# Altium PCB 1.PcbDoc
Units mil, origin at the board's own origin, x right, y up, seen from the top; angles counter-clockwise.
Board outline 3900 x 3930 mil, 2 copper layers (Top Layer, Bottom Layer); 92 components, 114 nets, 397 pads, 38 vias.
Unrouted connection lines stored in the file: 5.
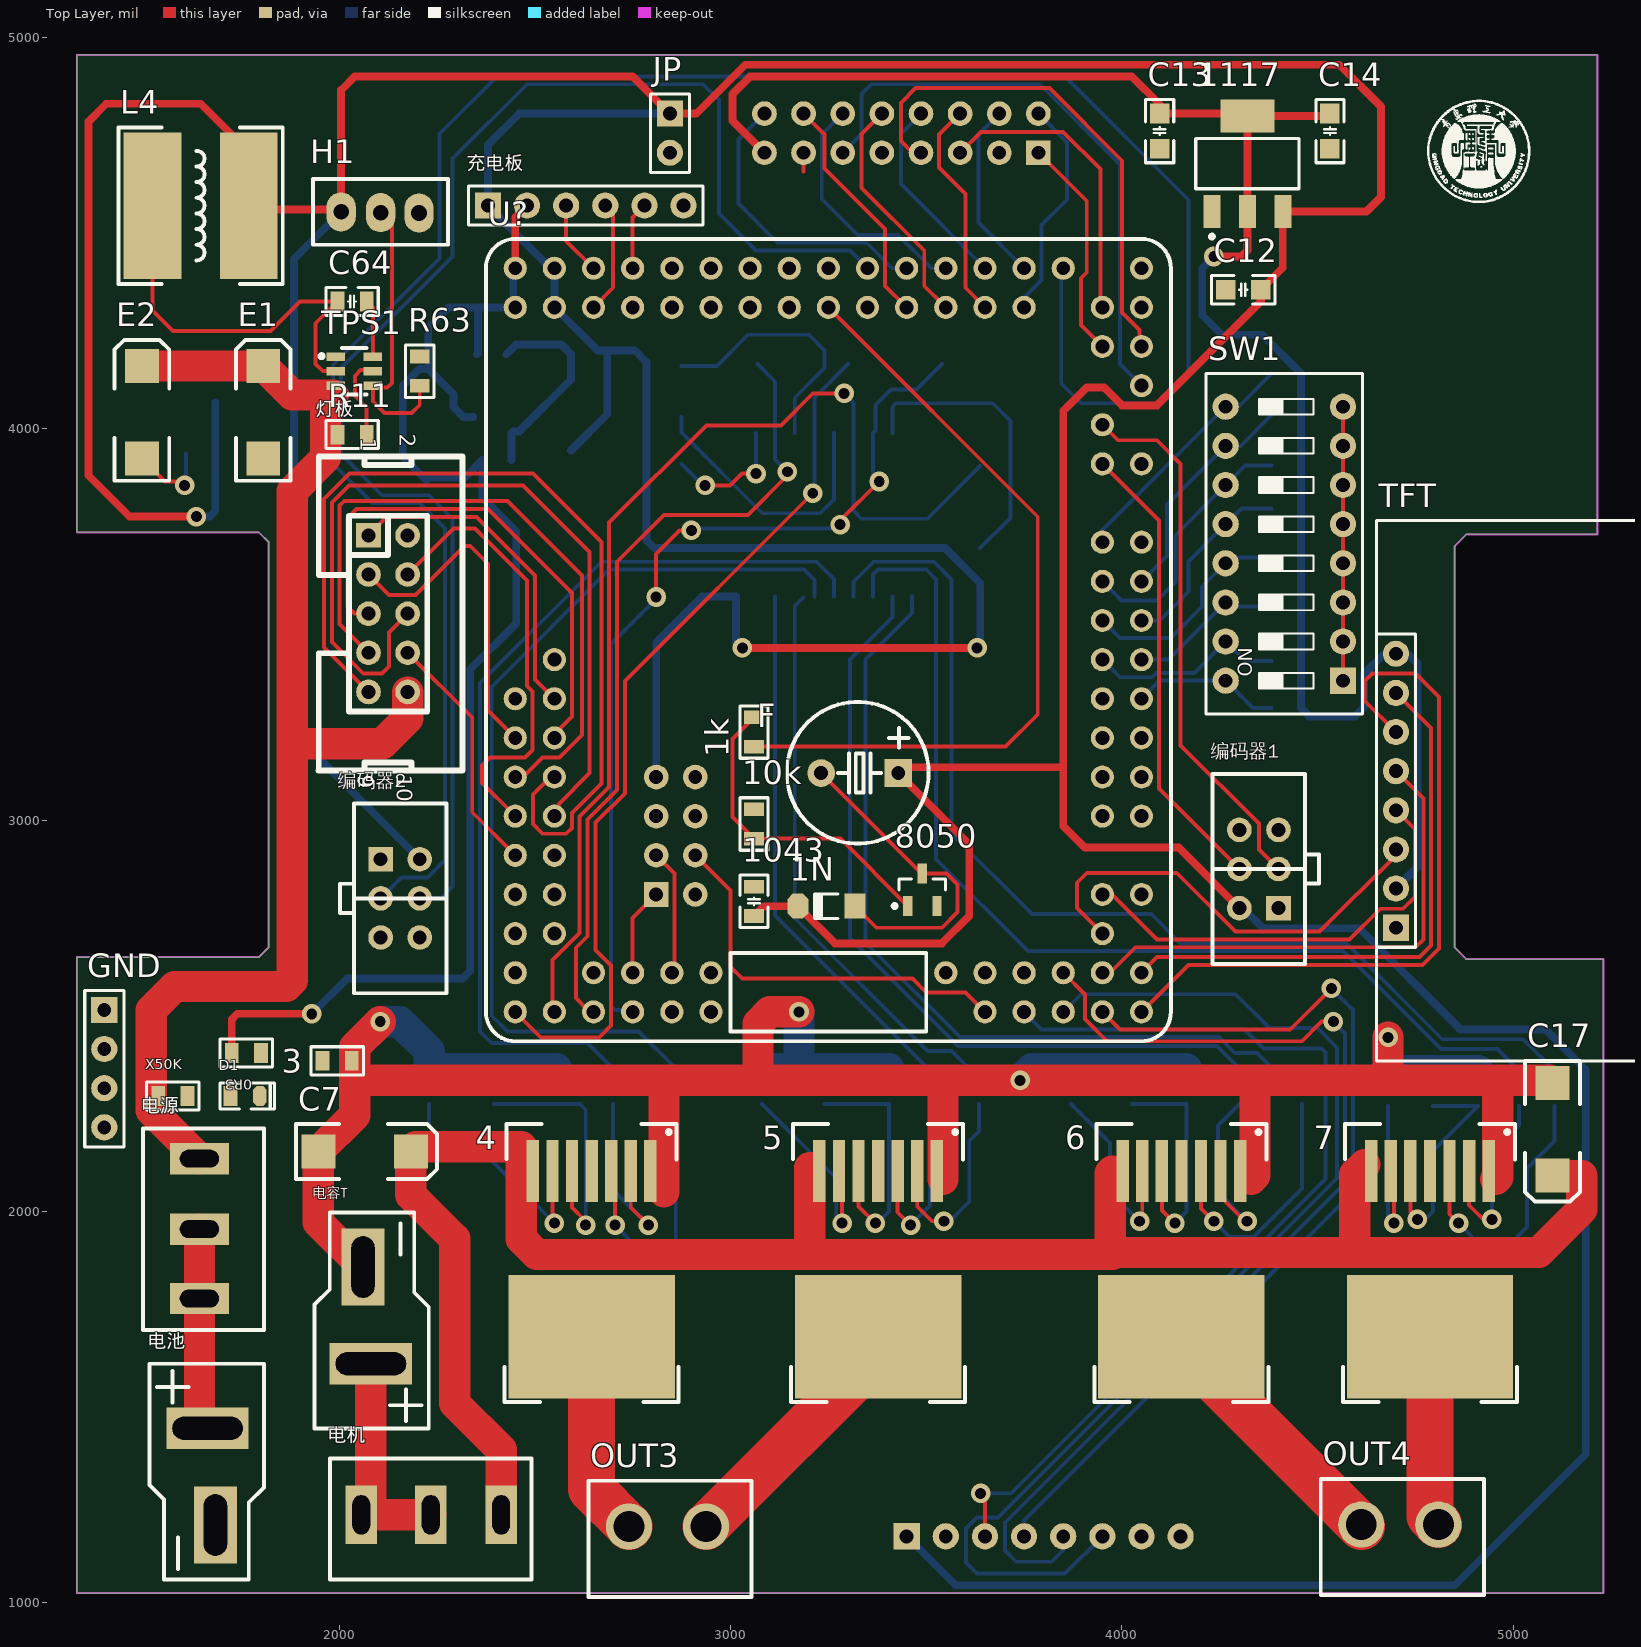
[diagram p0: Top Layer view]
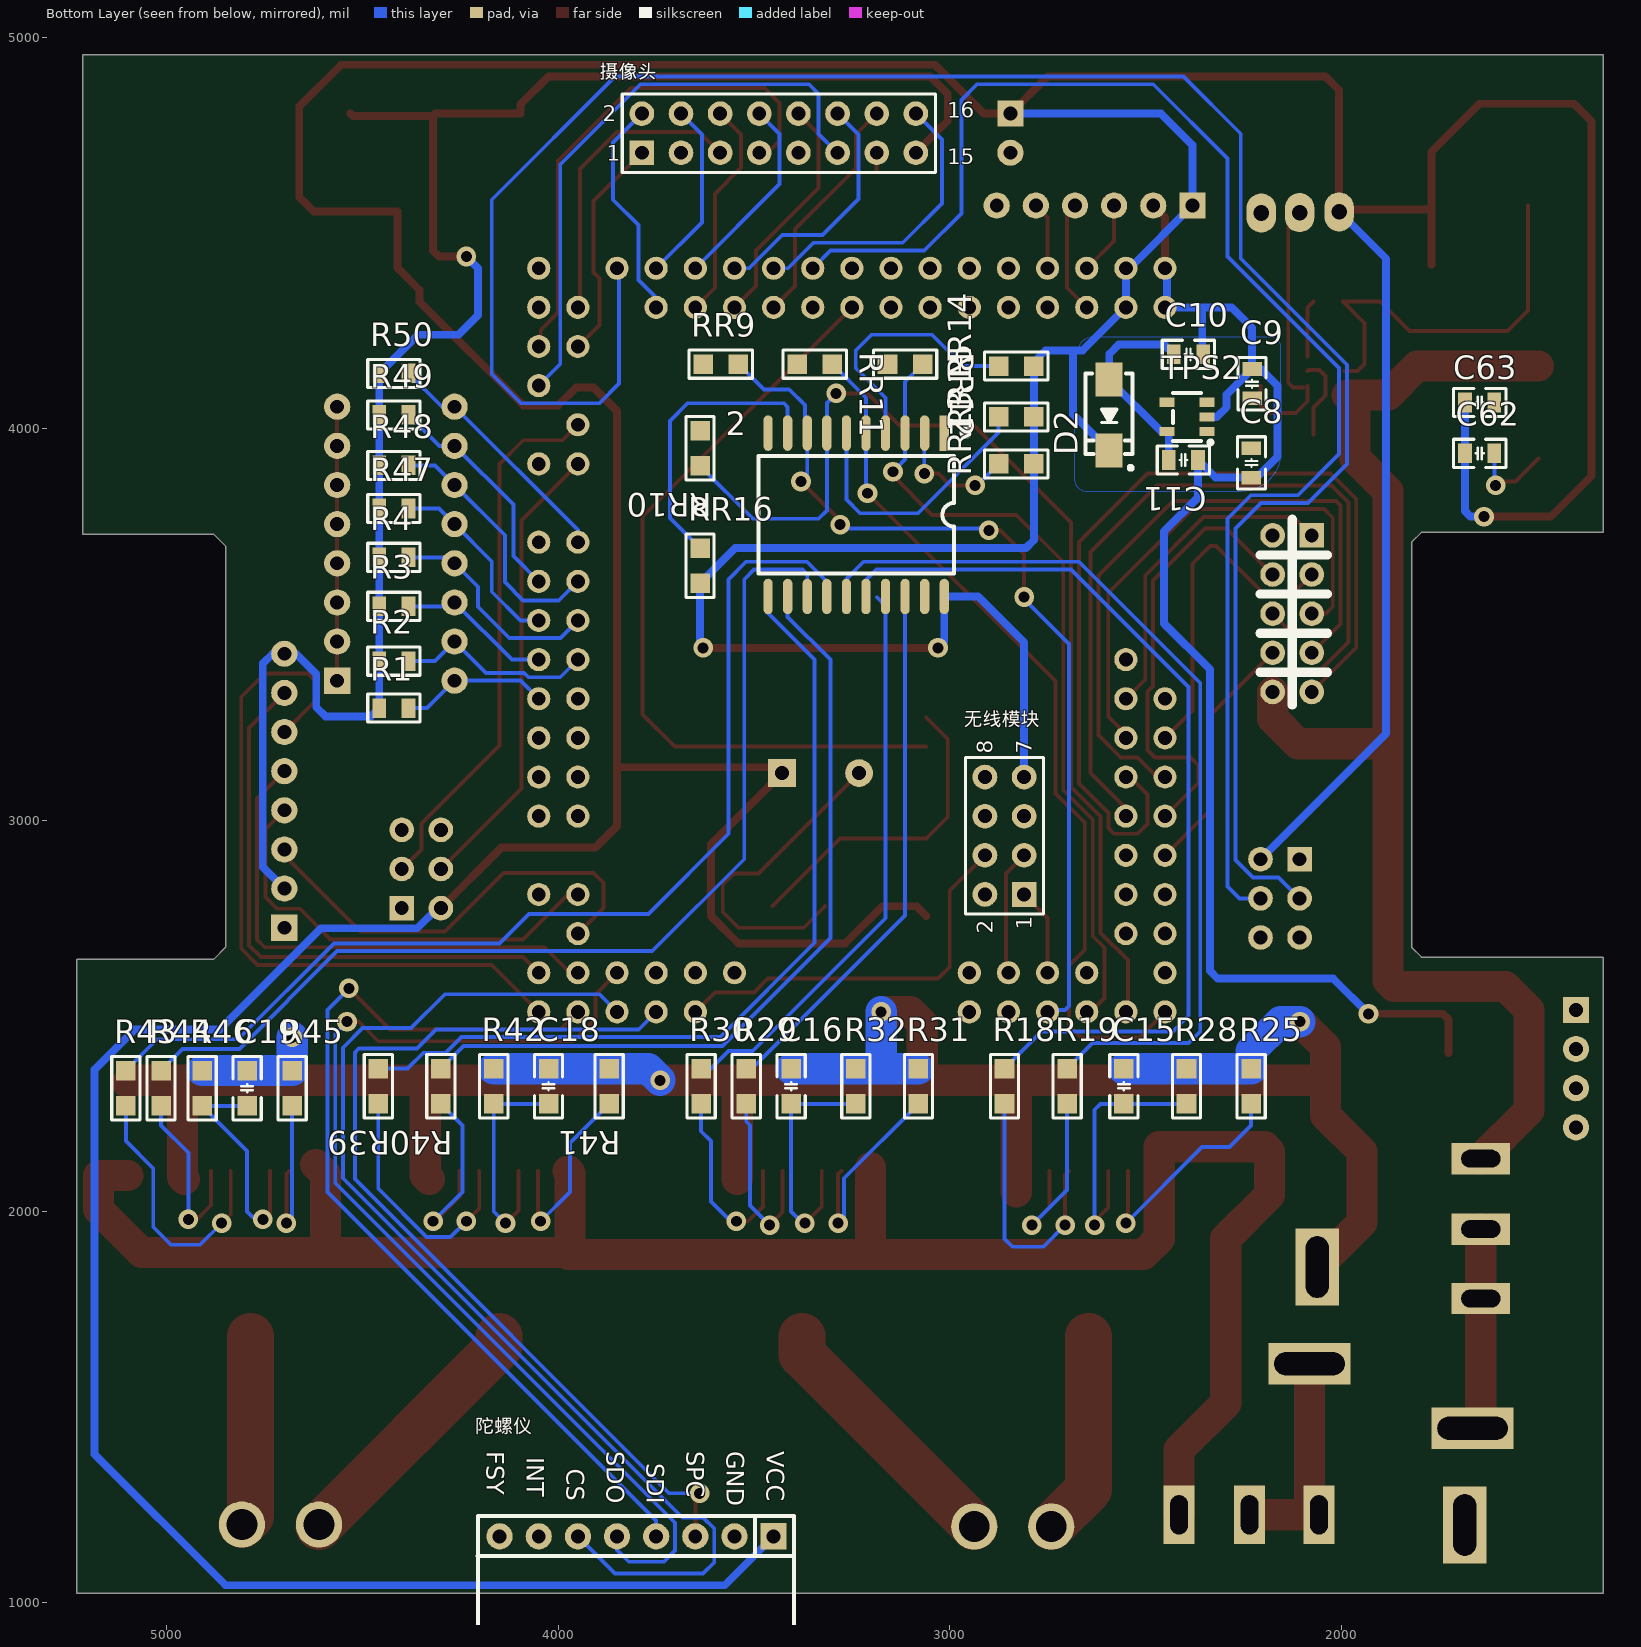
[diagram p1: Bottom Layer view, seen from below]

## Layer stack, top to bottom
Top Solder: solder mask 0.4, Solder Resist, Dk 3.5
Top Layer: signal copper 1.4
Dielectric 1: dielectric 12.6, FR-4, Dk 4.8
Bottom Layer: signal copper 1.4
Bottom Solder: solder mask 0.4, Solder Resist, Dk 3.5

## Board outline
1330,2650 1795,2650 1820,2675 1820,3710 1795,3735 1330,3735 1330,4955 5215,4955 5215,3730 4880,3730 4850,3700 4850,2675 4880,2645 5230,2645 5230,1025 1330,1025

## Design rules (kind name [scope] priority, off if disabled: settings)
Clearance [All] p1: gap=10 ignorepadtopadclearanceinfootprint=FALSE except(0: Arc-Hole Track-Hole SMDPad-Hole THPad-Hole Via-Hole Fill-Hole Poly-Hole Region-Hole Text-Hole)
ComponentClearance [All] p1 off: gap=10 collisioncheckmode=3 verticalgap=10 showdistances=FALSE
PlaneConnect [All] p1: planeconnectstyle=Direct reliefexpansion=20 reliefentries=4 reliefconductorwidth=10 reliefairgap=10
PolygonConnect PolygonConnect_2 [All vs IsNamedPolygon('Bottom Layer-5V')] p1: connectstyle=Direct reliefconductorwidth=10 reliefentries=4 polygonreliefangle="90 Angle" airgapwidth=10
PolygonConnect PolygonConnect_1 [All vs IsNamedPolygon('Bottom Layer-5V')] p2: connectstyle=Direct reliefconductorwidth=10 reliefentries=4 polygonreliefangle="90 Angle" airgapwidth=10
PolygonConnect [All] p3: connectstyle=Direct reliefconductorwidth=10 reliefentries=4 polygonreliefangle="90 Angle" airgapwidth=10
RoutingVias [All] p1: holewidth=28 width=50 viastyle="Through Hole" minholewidth=28 minwidth=50 maxholewidth=28 maxwidth=50
SolderMaskExpansion [All] p1: expansion=4
Width [All] p1: maxlimit=120 minlimit=10 preferedwidth=10 minimp=50.000000 maximp=50.000000 favimp=50.000000
28 further rules are at their usual default settings.

## Components (designator, comment, footprint, x,y, rotation, side; value= is the part's Value field where it differs from the comment)
0R3 "0" R0805_L 1762.95,2405 r0 top
1k "1K" R0805_L 3060,3225 r90 top
1N "1N4148" "MINI_MELF (LL34)" 3245,2780 r180 top
2 "74ls541" 74ls541 3240,3780 r270 bottom
3 "0" R0805_L 1995,2385 r0 top
4 "7960" 7960 2583,2013 r0 top
5 "7960" 7960 3315,2013 r0 top
6 "7960" 7960 4090,2013 r0 top
7 "7960" 7960 4725,2013 r0 top
10k "10K" R0805_L 3060.01,2990 r270 top
1043 "104" C0805_L 3060,2792.4 r90 top
1117 "AMS1117" AMS1117 4321.46,4795 r0 top
8050 "8050" SOT23-3N 3490,2821.87 r90 top
C7 "钽电容470uf" C_6032 2065,2153 r180 top
C8 "100NF" C0805_L 2229.08,3912.41 r90 bottom
C9 "47UF" C0805_L 2227.6,4115 r270 bottom
C10 "4.7UF" C0805_L 2390,4190 r0 bottom
C11 "100NF" C0805_L 2403,3920 r0 bottom
C12 "104" C0805_M 4310,4355 r0 top
C13 "106" C0805_M 4096.46,4760.37 r90 top
C14 "104" C0805_M 4531.46,4760.37 r90 top
C15 "104" C0805_M 2555,2320 r90 bottom
C16 "104" C0805_M 3405,2320 r90 bottom
C17 "钽电容470uf/25v" C_6032 5100,2210 r90 top
C18 "104" C0805_M 4025,2320 r90 bottom
C19 "104" C0805_M 4795,2315 r90 bottom
C62 "22PF" C0805_L 1646,3936.93 r0 bottom
C63 "22PF" C0805_L 1646,4066.93 r0 bottom
C64 "0.1u" C0805_L 2033,4325 r180 top
D1 "" LED0805_G 1760,2295 r0 top
D2 "SS14" SMA 2592.6,4035 r270 bottom
E1 "10uF/20V!" C_6032 1806,4041.93 r270 top
E2 "10uF/20V!" C_6032 1496,4041.93 r270 top
F "DC5V" "BEEP 5x9x5.5" 3330,3120 r90 top
GND "HDR-1X4" HDR2.54-LI-4P 1400,2365 r270 top
H1 "滑变" 滑变 2006,4551.93 r0 top
JP "HDR-1X2" HDR2.54-LI-2P 2845,4755 r270 top
L4 "2R2" CD105 1646,4570 r0 top
OUT3 "蓝色端子" 蓝色端子 2935,1195 r180 top
OUT4 "蓝色端子" 蓝色端子 4806,1200 r180 top
R1 "10K" R0805_L 4420,3286.15 r180 bottom
R2 "10K" R0805_L 4420,3406.14 r180 bottom
R3 "10K" R0805_L 4420,3546.14 r180 bottom
R4 "10K" R0805_L 4420,3671.15 r180 bottom
R11 "10K" R0805_L 2033,3985 r0 top
R18 "102" R0805_M 2860,2320 r90 bottom
R19 "102" R0805_M 2700,2320 r90 bottom
R25 "102" R0805_M 2230,2320 r90 bottom
R28 "102" R0805_M 2395,2320 r90 bottom
R29 "102" R0805_M 3519.88,2320 r90 bottom
R30 "102" R0805_M 3635,2320 r90 bottom
R31 "102" R0805_M 3080,2320 r90 bottom
R32 "102" R0805_M 3240,2320 r90 bottom
R39 "102" R0805_M 4460,2320 r90 bottom
R40 "102" R0805_M 4300,2320 r90 bottom
R41 "102" R0805_M 3870,2320 r90 bottom
R42 "102" R0805_M 4165,2320 r90 bottom
R43 "102" R0805_M 5105,2315 r90 bottom
R44 "102" R0805_M 5015,2315 r90 bottom
R45 "102" R0805_M 4680,2315 r90 bottom
R46 "102" R0805_M 4910,2315 r90 bottom
R47 "10K" R0805_L 4420,3796.15 r180 bottom
R48 "10K" R0805_L 4420,3906.14 r180 bottom
R49 "10K" R0805_L 4420,4035.08 r180 bottom
R50 "10K" R0805_L 4420,4141.14 r180 bottom
R63 "10K" R0805_L 2205.99,4146.93 r90 top
RR9 "102" R0805_M 3585,4165 r180 bottom
RR10 "102" R0805_M 3637.87,3950 r270 bottom
RR11 "102" R0805_M 3345,4165 r180 bottom
RR12 "102" R0805_M 3114,4165 r180 bottom
RR13 "102" R0805_M 2830,3910 r0 bottom
RR14 "102" R0805_M 2830,4160 r0 bottom
RR15 "102" R0805_M 2830,4030 r0 bottom
RR16 "102" R0805_M 3637.87,3650 r90 bottom
SW1 "SW-8P" "SW DIP-8P" 4415,3706.14 r90 top
TFT "TFT" TFT 4700,3075 r90 top locked
TPS1 "TPS562200DDCT" TSOT-23-6_L2.9-W1.6-P0.95-LS2.8-BL 2038.76,4146.93 r270 top
TPS2 "RT9013-33GB" SOT-23-5_L3.0-W1.7-P0.95-LS2.8-BR 2393.78,4030 r180 bottom
U? "TC264_CoreBoard" TC264_CoreBoard 2450,4410 r0 top
X50K "50K" R0805_L 1575,2295 r0 top
充电板 "HDR-1X6" HDR2.54-LI-6P 2630,4570 r0 top
摄像头 "Header 8X2" HDR2.54-LI-2x8P 3436.57,4755 r180 bottom
无线模块 "Header 4X2" HDR2.54-LI-2x4P 2860,2960 r90 bottom
灯板 "Header 5X2" IDC2.54-LI-2x5P 2075,3727.4 r270 top
电容T "T插" T插 2095,1655 r90 top (schematic designator *1)
电机 "开关" 开关 2234,1226 r0 top (schematic designator 电源?)
电池 "T插" T插 1650,1402 r270 top
电源 "开关" 开关 1642,1955 r90 top
编码器1 "竞赛编码器接口" 竞赛编码器接口_HDR 4400,2975 r180 top
编码器2 "竞赛编码器接口" 竞赛编码器接口_HDR 2106,2700 r0 top
陀螺仪 "逐飞IMU模块" 逐飞IMU模块-单排插针 3397.91,1222.13 r270 bottom
? "Comment" 青理校徽 4912.65,4715 r0 top

## Footprints (in the part's own frame and the unit in brackets; to place one, negate y for a bottom-side part, rotate by r counter-clockwise, add the part's x,y. Pads: shape width x height; smd on the part's side, far side on the other; paste and mask are expansions set on the pad)
74ls541 [mm]
  rect 2.3x0.6 smd: 1(-5.3,5.74)
  oval 2.3x0.6 smd: 2(-5.3,4.47) 3(-5.3,3.2) 4(-5.3,1.93) 5(-5.3,0.66) 6(-5.3,-0.61) 7(-5.3,-1.88) 8(-5.3,-3.15) 9(-5.3,-4.42) 10(-5.3,-5.69) 11(5.3,-5.69) 12(5.3,-4.42) 13(5.3,-3.15) 14(5.3,-1.88) 15(5.3,-0.61) 16(5.3,0.66) 17(5.3,1.93) 18(5.3,3.2) 19(5.3,4.47) 20(5.3,5.74)
  silkscreen extent -5.49,-6.32 3.81,7.29, body extent -5.15,-6.32 5.15,6.38, height 2.7
7960 [mm]
  rect 0.8x4 smd: 1(5.385,2.293) 2(4.115,2.293) 3(2.845,2.293) 4(1.575,2.293) 5(0.305,2.293) 6(-0.965,2.293) 7(-2.235,2.293)
  rect 10.8x8 smd: 8(1.575,-8.458)
  silkscreen extent -4.06,-12.7 7.21,5.33, body extent -3.53,-8.36 6.67,1.09, height 4.4
AMS1117 [mm]
  rect 1.1x2.15 smd: 1(-2.325,-6.097) 2(-0.025,-6.097) 3(2.275,-6.097)
  rect 3.5x2.15 smd: 4(-0.025,0.103)
  silkscreen extent -3.38,-7.85 3.32,-1.37, body extent -3.28,-6.58 3.22,0.38, height 1.65
"BEEP 5x9x5.5" [mm] "5*9*5.5mm(脚距,直径,高度)        淘宝ID:黄晶宝石"
  rect 1.8x1.8 hole 0.9: 1(0,-2.5)
  round 1.8 hole 0.9: 2(0,2.5)
  silkscreen extent -4.57,-4.47 4.62,4.73, body extent -4.5,-4.5 4.5,4.5, height 5.45
C0805_L [mil] "无极性贴片电容"
  rect 35x50 smd: 1(-37.4,0) 2(37.4,0)
  silkscreen extent -67,-36 67,36, body extent -39,-24 39,24, height 22
C0805_M [mil] "无极性贴片电容"
  rect 50x50 smd: 1(-45,0) 2(45,0)
  silkscreen extent -81,-36 81,36, body extent -39,-24 39,24, height 22
C_6032 [mm] "C型贴片钽电容 长6.0mm，宽3.2mm，厚2.5mm"
  rect 2.2x2.2 smd: 1(-3,0) 2(3,0)
  silkscreen extent -4.7,-1.78 4.44,1.78, body extent -3,-1.6 3,1.6, height 2.53
CD105 [mm] "10*9*5.4mm（长宽高）        淘宝ID:黄晶宝石"
  rect 3.75x9.5 smd: 1(-3.125,0) 2(3.125,0)
  silkscreen extent -5.33,-5.08 5.33,5.08, body extent -4.95,-4.5 4.95,4.5, height 5.5
HDR2.54-LI-2P [mm] "排针，2脚 封装库来自淘宝卖家 ID：黄晶宝石"
  rect 1.7x1.7 hole 0.9: 1(-1.27,0)
  round 1.7 hole 0.9: 2(1.27,0)
  silkscreen extent -2.54,-1.27 2.54,1.27, body extent -2.54,-1.27 2.54,1.27, height 2.54
HDR2.54-LI-2x4P [mm] "双排排针，4x2脚"
  rect 1.6x1.6 hole 0.9: 1(-3.81,-1.27)
  round 1.6 hole 0.9: 2(-3.81,1.27) 3(-1.27,-1.27) 4(-1.27,1.27) 5(1.27,-1.27) 6(1.27,1.27) 7(3.81,-1.27) 8(3.81,1.27)
  silkscreen extent -5.08,-2.54 5.08,2.54, body extent -5.08,-2.54 5.08,2.54, height 8.5
HDR2.54-LI-2x8P [mm] "双排排针，8x2脚"
  rect 1.6x1.6 hole 0.9: 1(-8.89,-1.27)
  round 1.6 hole 0.9: 2(-8.89,1.27) 3(-6.35,-1.27) 4(-6.35,1.27) 5(-3.81,-1.27) 6(-3.81,1.27) 7(-1.27,-1.27) 8(-1.27,1.27) 9(1.27,-1.27) 10(1.27,1.27) 11(3.81,-1.27) 12(3.81,1.27) 13(6.35,-1.27) 14(6.35,1.27) 15(8.89,-1.27) 16(8.89,1.27)
  silkscreen extent -10.16,-2.54 10.16,2.54, body extent -10.16,-2.54 10.16,2.54, height 8.5
HDR2.54-LI-4P [mm] "排针，4脚"
  rect 1.7x1.7 hole 0.9: 1(-3.81,0)
  round 1.7 hole 0.9: 2(-1.27,0) 3(1.27,0) 4(3.81,0)
  silkscreen extent -5.08,-1.27 5.08,1.27, body extent -5.08,-1.27 5.08,1.27, height 2.54
HDR2.54-LI-6P [mm] "排针，6脚"
  rect 1.7x1.7 hole 0.9: 1(-6.35,0)
  round 1.7 hole 0.9: 2(-3.81,0) 3(-1.27,0) 4(1.27,0) 5(3.81,0) 6(6.35,0)
  silkscreen extent -7.62,-1.27 7.62,1.27, body extent -7.62,-1.27 7.62,1.27, height 2.54
IDC2.54-LI-2x5P [mm] "10P简易牛角座 淘宝ID:黄晶宝石   店铺网址:https://shop463601444.taobao.com"
  rect 1.6x1.6 hole 0.9: 1(0,0)
  round 1.6 hole 0.9: 2(0,2.54) 3(2.54,0) 4(2.54,2.54) 5(5.08,0) 6(5.08,2.54) 7(7.62,0) 8(7.62,2.54) 9(10.16,0) 10(10.16,2.54)
  silkscreen extent -5.11,-3.23 15.27,6.1, body extent -5.08,-3.08 15.24,5.77, height 2.54
LED0805_G [mil] "绿色0805LED"
  rect 35x50 smd: 1(-37.4,0)
  oct 35x50 smd: 2(37.4,0)
  silkscreen extent -64,-33 75,33, body extent -39,-25 39,25, height 32
"MINI_MELF (LL34)" [mm] "1.5*3.4mm(直径，脚距）"
  rect 1.37x1.62 smd: 1(-1.855,0)
  oct 1.37x1.62 smd: 2(1.855,0)
  silkscreen extent -0.76,-0.8 0.78,0.8, body extent -1.7,-0.75 1.7,0.75, height 1.5
R0805_L [mil] "1/8W贴片电阻"
  rect 35x50 smd: 1(-37.4,0) 2(37.4,0)
  silkscreen extent -67,-36 67,36, body extent -39,-25 39,25, height 20
R0805_M [mil] "1/8W贴片电阻"
  rect 50x50 smd: 1(-45,0) 2(45,0)
  silkscreen extent -81,-36 81,36, body extent -39,-25 39,25, height 20
SMA [mm] "4.5x2.6*2.2mm（长宽高，不包括引脚）"
  rect 2.2x1.75 smd: 1(-2.3,0) 2(2.3,0)
  silkscreen extent -2.7,-1.52 3.56,1.52, body extent -2.55,-1.3 2.55,1.3, height 2.15
SOT23-3N [mm] "SOT23, 3-Leads, Body 2.9x1.3mm, Pitch 0.95mm, Lead Span 2.4mm, IPC Medium Density"
  rect 1.3x0.6 smd: 1(-1.05,0.95) 2(-1.05,-0.95) 3(1.05,0)
  silkscreen extent -1.17,-1.5 0.7,1.92, body extent -1.2,-1.5 1.2,1.5, height 1.05
SOT-23-5_L3.0-W1.7-P0.95-LS2.8-BR [mm]
  rect 1x0.6 smd: 1(1.3,-0.95) 2(1.3,0) 3(1.3,0.95) 4(-1.3,0.95) 5(-1.3,-0.95)
  silkscreen extent -0.9,-1.78 1.65,1.55
"SW DIP-8P" [mm] "21.9*9.9*7mm"
  rect 1.7x1.7 hole 0.9: 1(-8.89,-3.81)
  round 1.7 hole 0.9: 2(-6.35,-3.81) 3(-3.81,-3.81) 4(-1.27,-3.81) 5(1.27,-3.81) 6(3.81,-3.81) 7(6.35,-3.81) 8(8.89,-3.81) 9(8.89,3.81) 10(6.35,3.81) 11(3.81,3.81) 12(1.27,3.81) 13(-1.27,3.81) 14(-3.81,3.81) 15(-6.35,3.81) 16(-8.89,3.81)
  silkscreen extent -11.05,-5.08 11.05,5.08, body extent -10.94,-4.95 10.94,4.95, height 6.65
TC264_CoreBoard [mm] "逐飞科技TC264核心板"
  round 1.5 hole 0.9: 1(0,0) 2(2.54,0) 3(0,-2.54) 4(2.54,-2.54) 22(2.54,-25.4) 23(0,-27.94) 24(2.54,-27.94) 25(0,-30.48) 26(2.54,-30.48) 27(0,-33.02) 28(2.54,-33.02) 29(0,-35.56) 30(2.54,-35.56) 31(0,-38.1) 32(2.54,-38.1) 33(0,-40.64) 34(2.54,-40.64) 35(0,-43.18) 36(2.54,-43.18) 37(0,-45.72) 39(0,-48.26) 40(2.54,-48.26) 41(5.08,-48.26) 42(5.08,-45.72) 43(7.62,-48.26) 44(7.62,-45.72) 45(10.16,-48.26) 46(10.16,-45.72) 47(12.7,-48.26) 48(12.7,-45.72) 49(27.94,-45.72) 51(30.48,-45.72) 52(30.48,-48.26) 53(33.02,-45.72) 54(33.02,-48.26) 55(35.56,-45.72) 56(35.56,-48.26) 57(38.1,-48.26) 58(40.64,-48.26) 59(38.1,-45.72) 60(40.64,-45.72) 61(38.1,-43.18) 63(38.1,-40.64) 64(40.64,-40.64) 67(38.1,-35.56) 68(40.64,-35.56) 69(38.1,-33.02) 70(40.64,-33.02) 71(38.1,-30.48) 72(40.64,-30.48) 73(38.1,-27.94) 74(40.64,-27.94) 75(38.1,-25.4) 76(40.64,-25.4) 77(38.1,-22.86) 78(40.64,-22.86) 79(38.1,-20.32) 80(40.64,-20.32) 81(38.1,-17.78) 82(40.64,-17.78) 85(38.1,-12.7) 86(40.64,-12.7) 87(38.1,-10.16) 90(40.64,-7.62) 91(38.1,-5.08) 92(40.64,-5.08) 93(38.1,-2.54) 94(40.64,-2.54) 96(40.64,0) 98(35.56,0) 99(33.02,-2.54) 100(33.02,0) 101(30.48,-2.54) 102(30.48,0) 103(27.94,-2.54) 104(27.94,0) 105(25.4,-2.54) 106(25.4,0) 107(22.86,-2.54) 108(22.86,0) 109(20.32,-2.54) 110(20.32,0) 111(17.78,-2.54) 112(17.78,0) 113(15.24,-2.54) 114(15.24,0) 115(12.7,-2.54) 116(12.7,0) 117(10.16,-2.54) 118(10.16,0) 119(7.62,-2.54) 120(7.62,0) 121(5.08,-2.54) 122(5.08,0)
  silkscreen extent -1.91,-50.16 42.55,1.91
TFT [mm] "排母，8脚"
  rect 1.7x1.7 hole 0.9: 1(-8.89,0)
  round 1.7 hole 0.9: 2(-6.35,0) 3(-3.81,0) 4(-1.27,0) 5(1.27,0) 6(3.81,0) 7(6.35,0) 8(8.89,0)
  silkscreen extent -17.53,-54.74 17.53,1.27, body extent -10.16,-1.27 10.16,1.27, height 8.5
TSOT-23-6_L2.9-W1.6-P0.95-LS2.8-BL [mm]
  rect 0.55x1.2 smd: 1(-0.95,-1.2) 2(0,-1.2) 3(0.95,-1.2) 4(0.95,1.2) 5(0,1.2) 6(-0.95,1.2)
  silkscreen extent -1.5,-2.25 1.5,0.8
T插 [mil]
  rect 196.85x110.24 hole 59.06 slot 157.48 at 0 deg: 1(203,34)
  rect 106.3x210 hole 59.06 slot 180 at 90 deg: 2(-44,14)
  silkscreen extent -209,-134 342,158
开关 [mil]
  rect 80x150 hole 45 slot 100 at 90 deg: 1(-177.5,-1) 2(0,-1) 3(180,-1)
  silkscreen extent -258,-166 258,143
滑变 [mil]
  oval 75x100 hole 40: 1(-1,2) 2(100,0) 3(198,-1)
  silkscreen extent -73,-82 272,86, body extent -90,-101 284,96, height 453
竞赛编码器接口_HDR [mm]
  rect 1.6x1.6 hole 0.9: 1(0,5.08)
  round 1.6 hole 0.9: 2(2.54,5.08) 3(0,2.54) 4(2.54,2.54) 5(0,0) 6(2.54,0)
  silkscreen extent -2.63,-3.62 4.27,8.7, body extent -2.63,-3.62 4.27,8.7, height 8.5
蓝色端子 [mm]
  round 3 hole 2: 1(-0.062,0) 2(4.938,0)
  silkscreen extent -3.02,-2.97 7.57,4.57, body extent -3.01,-3.03 7.59,4.57, height 10
逐飞IMU模块-单排插针 [mm]
  rect 1.7x1.7 hole 0.9: 1(1.324,-1.323)
  round 1.7 hole 0.9: 2(1.324,-3.863) 3(1.324,-6.403) 4(1.324,-8.943) 5(1.324,-11.483) 6(1.324,-14.023) 7(1.324,-16.563) 8(1.324,-19.103)
  silkscreen extent 0,-20.55 12.5,0, body extent 0.05,-20.37 2.59,-0.05, height 8.5
青理校徽 [mil]
  silkscreen extent -131,-137 130,125

## Part data
0R3 1k 3 10k R1 R2 R3 R4 R11 R18 R19 R25 R28 R29 R30 R31 R32 R39 R40 R41 R42 R43 R44 R45 R46 R47 R48 R49 R50 R63 RR9 RR10 RR11 RR12 RR13 RR14 RR15 RR16 X50K: library part R, "贴片电阻"
1N: "开关二极管"
1043 C8 C9 C10 C11 C12 C13 C14 C15 C16 C18 C19 C62 C63 C64: library part C, "贴片电容"
8050: library part 8050-SMD, "高频放大-NPN型"
C17: library part 钽电容470uf
D1: library part LED-SMD, "贴片LED", BOM名称=Ì
D2: "肖特基二极管"
E1 E2: library part CT, "贴片钽电容"
F: library part BEEP, "蜂鸣器"
GND: library part "Header 4", "4P接插件"
JP: library part "Header 2", "2P接插件"
L4: library part L-SMD, "CD系列贴片线绕功率电感"
SW1: "8路编码开关"
TPS1: BOM_JLCPCB Part Class="Extended Part", BOM_Manufacturer=TI(德州, BOM_Manufacturer Part=TPS562200DDCT, BOM_Supplier=LCSC, BOM_Supplier Part=C2070724, Contributor=LCSC, spicePre=U, spiceSymbolName=TPS562200DDCT
TPS2: "Power Supply", Manufacturer_Name=RICHTEK, Datasheet Link=https://www.richtek.com/assets/product_file/RT9013/DS9013-10.pdf, Height=1.295mm, Manufacturer_Part_Number=RT9013-33GB
U?: "逐飞科技TC264核心板"
充电板: library part "Header 6", "6P接插件"
摄像头: "8*2P接插件"
无线模块: "4*2P接插件"
灯板: "5*2P接插件"
陀螺仪: library part 逐飞ICM20602模块

## Via types
v1: diameter 50, hole 28, Top Layer to Bottom Layer, 38 vias

## Nets (pads, with @x,y where several pads share a name; then routed paths per layer and width w, separated by ;. In a path a pad name is that pad's centre, name@x,y a point inside that pad or via, vN(x,y) a via of type N, cw(c..) or ccw(c..) an arc to the next point about the centre after c; other vN are vias at no path point)
3V3: 1117.2 1117.4 C13.2 C14.2 R1.1 R2.1 R3.1 R4.1 R47.1 R48.1 R49.1 R50.1 TFT.2 TFT.8 摄像头.15 | length 4584.4
  Top Layer w20: 摄像头.15 3005,4786.57 3005,4855 3050,4900 4025,4900 4096.46,4828.54 C13.2 4314.13,4805.37 1117.4 ; v1(4235,4440) 4305,4440 4320.46,4455.46 1117.2 1117.4 ; C14.2 4525.13,4799.05 1117.4
  Bottom Layer w20: v1(4235,4440) 4205,4410 4205,4290 4255,4240 4358.55,4240 R50.1 R49.1 R48.1 R47.1 R4.1 R3.1 R2.1 R1.1 4478.55,3265 4595,3265 4618.46,3288.46 4618.46,3373.46 4670,3425 TFT.8 4730,3425 4755,3400 4755,2880 TFT.2
3V3_MCU: C10.2 C11.2 D2.1 TPS2.5 | length 527.1
  Bottom Layer w20: C10.2 2452.4,4215 2568.15,4215 2592.6,4190.55 D2.1 ; C11.2 2440.4,3988.04 TPS2.5 2459.66,3992.61 D2.1@2592.05,4125
5V: 1N.2 2.20 1043.1 1117.3 C8.2 C9.2 C12.2 C62.2 C63.2 D2.2 F.1 H1.1 JP.1 L4.2 RR13.1 RR14.1 RR15.1 RR16.1 TPS2.1 TPS2.3 U?.2 U?.4 充电板.1 无线模块.7 编码器1.2 编码器2.2 陀螺仪.1 | length 20405.1
  Top Layer w20: v1(1635,3775.36) 1464.64,3775.36 1360,3880 1360,4785 1405,4830 1646.52,4830 1769.03,4707.48 L4.2 ; L4.2@1769.03,4419.03 1769.03,4560 1998.93,4560 H1.1 2005,4865 2040,4900 2750,4900 JP.1 2912.57,4805 3037.57,4930 4555,4930 4662,4823 4662,4592 4624.95,4554.95 1117.3 4411.01,4411.01 C12.2 4355,4325 4089.53,4059.53 4000,4059.53 3954.53,4105 3910,4105 3850,4045 3850,3135 ; v1@3029,3440 v1(3030,3440) v1(3630,3440) ; 1043.1 3085,2780 1N.2 3266.97,2685 3540,2685 3610,2755 3610,2938.43 F.1 3443.43,3135 3850,3135 ; 编码器1.2 4145,2930 3905,2930 3850,2985 3850,3135
  Bottom Layer w20: v1(1635,3775.36) 1669.21,3775.36 1683.4,3789.54 C62.2 C63.2 ; H1.1 1885,4433.93 1885,3221 编码器2.2 ; D2.2 2685,4036.85 2685,4199.83 2685.17,4200 2755,4200 2785,4170 RR14.1 RR15.1 RR13.1 2785,3715 2805,3695 3547.87,3695 RR16.1 3637.87,3447.87 v1(3630,3440) ; 2685,4200 2660,4200 U?.4 U?.2 2540,4410 充电板.1 2380,4725 2460,4805 JP.1 ; 无线模块.7 2810,3454 2927.34,3571.34 2.20 3014,3456 v1(3030,3440) ; 陀螺仪.1 3575,1045 4850,1045 5185,1380 5185,2362.5 5082.5,2465 4864.79,2465 4606.28,2723.5 4360.22,2723.5 4308.72,2775 编码器1.2
7.4V: E1.1 E2.1 R11.1 TPS1.3 X50K.1 灯板.10 电源.3 | length 3279.9
  Top Layer w80: E2.1 E1.1 1879.94,4086.1 1985,4086.1 1965,4066.1 1965,3925.49 1880,3840.49 1880,3217.5 ; 电源.3 1520,2258 1520,2515 1580,2575 1865,2575 1880,2590 1880,3217.5 ; 灯板.10 2175,3260 2110,3195 1902.5,3195 1880,3217.5
20.6: U?.49
20.7: 
21.6: U?.42
21.7: 2.8 RR9.2 U?.43 | length 2347.8
  Top Layer w10: v1(2810,3570) 2810,3680 2870,3740 v1(2900,3740) ; v1(3280,3755) 3280,3765 v1(3380,3865)
  Bottom Layer w10: U?.43@2745,2515 2705.47,2515 2695,2525.47 2695,3450 2810,3565 v1(2810,3570) ; v1(2900,3740) 2900,3725 2920,3745 3270,3745 v1(3280,3755) ; v1(3380,3865) 3364,3881 2.8 3370,3994.66 3370,4060 3410,4100 3475,4100 RR9.2
A24: U?.122 充电板.3 | length 189
  Top Layer w10: 充电板.3 2580,4480 U?.122
A25: U?.121 充电板.4 | length 289
  Top Layer w10: U?.121 2700,4360 2700,4550 充电板.4
A35: U?.120 充电板.5 | length 172.4
  Top Layer w10: U?.120 2750,4540 充电板.5
GND: 0R3.2 2.1 2.10 2.19 3.1 10k.1 1043.2 1117.1 8050.2 C12.1 C13.1 C14.1 C62.1 C63.1 D1.2 E1.2 E2.2 GND.1 GND.2 GND.3 GND.4 JP.2 R63.2 RR9.1 RR10.1 RR11.1 RR12.1 TFT.1 TPS1.1 充电板.6 摄像头.3 摄像头.13 无线模块.5 无线模块.6 灯板.2 电池.1 编码器1.1 编码器2.1 陀螺仪.2 | length 269.3
  Top Layer w10: E2.2 1554.82,3865 1595,3865 v1(1605,3855) ; 3186.57,4656.57 摄像头.13
  Bottom Layer w10: v1(1605,3855) 1608.59,3858.59 C62.1
GND_MCU: 0R3.1 C8.1 C9.1 C10.1 C11.1 TPS2.2 U?.1 U?.3 充电板.2 | length 3580.2
  Top Layer w20: 0R3.1 1725.55,2490.55 1740,2505 v1(1930,2505) ; U?.1 2450,4540 充电板.2
  Bottom Layer w20: v1(1930,2505) 2020,2595 2315,2595 2335,2615 2335,3385 2452.4,3502.4 2452.4,3737.6 2365.6,3824.4 C11.1 2320.6,3875 C8.1 2222.6,3868.53 2162.6,3928.52 2162.6,4110 2205.01,4152.4 C9.1 ; TPS2.2 2317.6,4030 2292.6,4055 2292.6,4087.41 C9.1 ; C10.1 2355,4192.41 2355,4310 ; U?.3@2445,4315 U?.1@2445,4415 ; U?.3@2452.4,4307.6 U?.3 2355,4310 ; C9.1 2227.6,4257.6 2280,4310 2355,4310
MCU_GND: SW1.1 SW1.2 SW1.3 SW1.4 SW1.5 SW1.6 SW1.7 SW1.8 | length 700
  Top Layer w10: SW1.1 SW1.2 SW1.3 SW1.5 SW1.6 SW1.7 SW1.8
N1: 2.18 R29.2 | length 1383.2
  Bottom Layer w10: 2.18 3114,2756 3505,2365 R29.2
N2: 2.17 R30.2 | length 1459.5
  Bottom Layer w10: 3186.19,3569.36 3164,3547.17 3164,2749.16 3503.17,2410 3565,2410 3610,2365 R30.2
N3: 2.16 R18.2 | length 2367.5
  Bottom Layer w10: R18.2 2765,2460 2430,2460 2390,2500 2390,3340 2690,3640 3187.72,3640 3214,3613.72 2.16
N4: 2.15 R19.2 | length 2364.6
  Bottom Layer w10: R19.2 2635,2430 2390,2430 2360,2460 2360,3350 2670,3660 3220,3660 3264,3616 2.15
N5: 2.14 R43.2 | length 2769
  Bottom Layer w10: 2.14 3314,3609 3365,3660 3520,3660 3565,3615 3565,2965 3770,2760 4075,2760 4150,2685 4573.28,2685 4818.28,2440 5025,2440 R43.2
N6: 2.13 R44.2 | length 2661.3
  Bottom Layer w10: 2.13 3364,3627.43 3376.57,3640 3500,3640 3525,3615 3525,2900 3760,2665 4565,2665 4815,2415 4960,2415 R44.2
N7: 2.12 R40.2 | length 2051.3
  Bottom Layer w10: 2.12 3414,3519 3305,3410 3305,2698.28 3580.78,2422.5 4242.5,2422.5 R40.2
N8: 2.11 R39.2 | length 2182.3
  Bottom Layer w10: 2.11 3464,3529 3345,3410 3345,2686.57 3586.1,2445.47 4247.81,2445.47 4288.28,2405 4345,2405 4385,2365 R39.2
Net1k_2: 1k.2 10k.2 8050.1 | length 819.2
  Top Layer w10: 1k.2 3005,3207.4 3005,3007.6 10k.2 3280.52,2952.6 8050.1
Net1N_1: 1N.1 8050.3 F.2 | length 837.8
  Top Layer w10: F.2 3488.37,2863.2 8050.3 3551.8,2863.2 3580,2835 3580,2765 3540,2725 3373.03,2725 1N.1
Net2_2: 2.2 RR13.2 | length 329.3
  Top Layer w10: v1(2935,3855) 2999,3855 3029,3885 v1(3065,3885)
  Bottom Layer w10: RR13.2 2930,3855 v1(2935,3855) ; 2.2 3065,3987.66 v1(3065,3885)
Net2_4: 2.4 RR14.2 | length 657.5
  Bottom Layer w10: RR14.2 2965,4160 3045,4240 3200,4240 3240,4200 3240,4155 3164,4079 2.4
Net2_6: 2.6 RR15.2 | length 698.5
  Bottom Layer w10: RR15.2 2875,3990 3081,3784 3229,3784 3264,3819 2.6
Net2_9: 2.9 RR16.2 | length 747.6
  Bottom Layer w10: 2.9 3414,4055.93 3423.07,4065 3670,4065 3715,4020 3715,3772.13 RR16.2
Net4_2: 4.2 R19.1 | length 511.3
  Top Layer w10: 4.2 2745,2010 v1(2790,1965)
  Bottom Layer w10: R19.1 2700,2055 v1(2790,1965) v1@2795,1960
Net4_3: 4.3 R18.1 | length 683.5
  Top Layer w10: 4.3 2705,2093.27 v1(2705,1965)
  Bottom Layer w10: v1@2705,1975 v1(2705,1965) 2760,1910 2840,1910 2860,1930 R18.1
Net4_4: 4.4 4.8 OUT3.2 | length 524.6
  Top Layer w120: 4.8 2645,1290.57 OUT3.2
Net4_5: 4.5 C15.1 R28.1 | length 689
  Top Layer w10: 4.5 2595,2010 2630,1975 v1(2630,1965)
  Bottom Layer w10: R28.1 C15.1 2615,2275 2630,2260 v1(2630,1965)
Net4_6: 4.6 R25.1 | length 633.9
  Top Layer w10: 4.6 2545,1975 v1(2550,1970)
  Bottom Layer w10: R25.1 2230,2220 2285,2165 2355,2165 v1(2550,1970) v1@2570,1970
Net4_7: 4.7 5.7 6.7 7.7 C7.1 C17.1 电机.3 | length 5114.8
  Top Layer w80: 电机.3 2414,1391 2295,1510 2295,1930 2183.11,2041.89 C7.1 2195.11,2165 2465,2165 2465,1930 2505,1890 3975,1890 3970,1895 ; 3202.5,1935 3202.5,2112.5 ; 3975,2103.27 3970,2098.27 3970,1895 ; 4620,2120 4595,2095 4595,1895 ; C17.1 5175,2091.89 5175,2005 5065,1895 4595,1895 ; 3970,1895 4595,1895
Net5_2: 5.2 R30.1 | length 541.3
  Top Layer w10: 5.2 3477,2013 3515,1975 v1(3545,1975)
  Bottom Layer w10: v1(3545,1975) 3545,1960 3610,2025 3610,2180 3635,2205 R30.1
Net5_3: 5.3 R29.1 | length 486.7
  Top Layer w10: 5.3 3427,1998 v1(3460,1965)
  Bottom Layer w10: v1(3460,1965) 3510,2015 3510,2220.24 3519.88,2230.12 R29.1
Net5_4: 5.4 5.8 OUT3.1 | length 667.1
  Top Layer w120: OUT3.1 3377,1634.57 5.8
Net5_5: 5.5 C16.1 R32.1 | length 645.6
  Top Layer w10: 5.5 3327,2013 v1(3370,1970)
  Bottom Layer w10: R32.1 C16.1 3405,2000 3370,1965 v1(3370,1970)
Net5_6: 5.6 R31.1 | length 535.3
  Top Layer w10: 5.6 3285,2095.27 v1(3285,1970)
  Bottom Layer w10: R31.1 3270,2085 3270,1970 v1(3285,1970)
Net6_2: 6.2 R40.1 | length 527.6
  Top Layer w10: 6.2 4252,2037.57 4314.57,1975 v1(4320,1975)
  Bottom Layer w10: R40.1 4245,2220 4245,2050 v1(4320,1975) v1@4330,1985
Net6_3: 6.3 R39.1 | length 651.2
  Top Layer w10: 6.3 4202,2008 v1(4235,1975)
  Bottom Layer w10: v1(4235,1975) 4275,1935 4336.57,1935 4460,2058.43 R39.1
Net6_4: 6.4 6.8 OUT4.2 | length 675.4
  Top Layer w120: 6.8 4152,1654.57 OUT4.2@4611.57,1195
Net6_5: 6.5 C18.1 R42.1 | length 604.4
  Top Layer w10: 6.5 4102,2003 v1(4135,1970)
  Bottom Layer w10: C18.1 R42.1 4165,2000 v1(4135,1970)
Net6_6: 6.6 R41.1 | length 503.7
  Top Layer w10: v1(4045,1975) 4052,1982 6.6
  Bottom Layer w10: R41.1 3970,2175 3970,2050 v1(4045,1975)
Net7_2: 7.2 R44.1 | length 500.3
  Top Layer w10: 7.2 4887,2016 4935,1968 4945,1978 v1(4945,1980)
  Bottom Layer w10: v1@4955,1980 v1(4945,1980) 4945,2150 5015,2220 R44.1
Net7_3: 7.3 R43.1 | length 698.2
  Top Layer w10: 7.3 4837,1993 v1(4860,1970)
  Bottom Layer w10: v1(4860,1970) 4915,1915 4990,1915 5035,1960 5035,2110 5105,2180 R43.1
Net7_4: 7.4 7.8 OUT4.1 | length 488.9
  Top Layer w120: 7.8 4787,1221.43 OUT4.1
Net7_5: 7.5 C19.1 R46.1 | length 619.9
  Top Layer w10: 7.5 4737,1998 v1(4755,1980)
  Bottom Layer w10: v1(4755,1980) 4765,1970 4795,2000 4795,2155 R46.1 C19.1
Net7_6: 7.6 R45.1 | length 442.8
  Top Layer w10: 7.6 4695,2095.27 v1(4695,1970)
  Bottom Layer w10: R45.1 4680,1985 v1(4695,1970)
Net*1_2: 电容T.2 电机.1 电机.2 | length 524.6
  Top Layer w80: 电容T.2 2081,1249.5 2105.5,1225 电机.2
NetC64_1: C64.1 TPS1.6 | length 147.1
  Top Layer w10: C64.1 2086,4309.41 TPS1.6
NetC64_2: C64.2 L4.1 TPS1.2 | length 1035.3
  Top Layer w10: L4.1 1522.97,4302.03 1575,4250 1825,4250 1900,4325 C64.2 1940,4269.4 1940,4165 1958.07,4146.93 TPS1.2
NetD1_1: D1.1 X50K.2
NetH1_2: H1.2 R63.1 TPS1.4 | length 718.5
  Top Layer w10: TPS1.4 2086,4070 2116,4040 2185,4040 2206,4061 R63.1 ; TPS1.4@2097.57,4105 2122.99,4105 2135,4117.01 2135,4522.93 H1.2
NetR11_2: R11.2 TPS1.5 | length 216.1
  Top Layer w10: R11.2 2070.4,4054.6 2040,4085 2040,4135 2055,4150 2082.93,4150 TPS1.5
Net电池_2: 电池.2 电源.1 电源.2 | length 517.7
  Top Layer w80: 电源.2 电源.1 1643,1467 电池.2
P00.0: U?.99 摄像头.2 | length 568
  Bottom Layer w10: U?.99@3745,4315 3745,4330 3795,4380 3795,4520 3860,4585 3860,4731.57 摄像头.2
P00.1: U?.100 摄像头.4 | length 465.6
  Bottom Layer w10: 摄像头.4 3633.07,4751.5 3633.07,4526.93 U?.100
P00.2: U?.101 摄像头.6 | length 565.6
  Top Layer w10: 摄像头.6 3533.03,4751.46 3533.03,4724.34 3533.07,4724.3 3533.07,4666.93 3600,4600 3600,4360 U?.101
P00.3: U?.102 摄像头.8 | length 505.4
  Bottom Layer w10: 摄像头.8 3435,4753.43 3435,4625 U?.102
P00.4: U?.103 摄像头.10 | length 598.3
  Top Layer w10: 摄像头.10 3335,4753.43 3335,4615 3495,4455 3495,4365 U?.103@3545,4315
P00.5: U?.104 摄像头.12 | length 630.4
  Bottom Layer w10: 摄像头.12 3233.07,4751.5 3233.07,4586.93 3325,4495 3427.97,4495 3512.97,4410 U?.104
P00.6: U?.105 摄像头.14 | length 597
  Top Layer w10: 摄像头.14 3240,4751.57 3240,4665 3395,4510 3395,4365 U?.105@3445,4315
P00.7: U?.106 摄像头.16 | length 755.9
  Bottom Layer w10: 摄像头.16 3020,4738.43 3020,4575 3120,4475 3347.97,4475 3412.97,4410 U?.106
P00.9: U?.108 编码器2.4 | length 3766.1
  Bottom Layer w10: 编码器2.4 2260,2800 2290,2830 2290,3770 2230,3830 2110,3830 2005,3935 2005,4155 2290,4440 2290,4690 2480,4880 2930,4880 2970,4840 2970,4550 3065,4455 3305,4455 U?.108
P00.12: 1k.1 U?.109 | length 2027.8
  Top Layer w10: 1k.1 3702.6,3187.6 3785,3270 3785,3775 U?.109 U?.109@3245,4315
P2: 2.5 RR11.2 U?.39 | length 2264.9
  Top Layer w10: U?.39@2445,2515 U?.39 2515,2445 2664.53,2445 2695,2475.47 2695,2627.97 2655,2667.97 2655,2993.43 2730,3068.43 2730,3355 v1(3210,3835)
  Bottom Layer w10: v1(3210,3835) 3214,3839 2.5 3214,4079 RR11.2
P02.0: U?.90 摄像头.11 | length 1506
  Bottom Layer w10: 摄像头.11 3335,4753.43 3335,4855 3360,4880 3790,4880 3995,4675 3995,4165 U?.90@4045,4115
P02.1: U?.91 摄像头.1 | length 568
  Top Layer w10: 摄像头.1 3910,4581.57 3910,4399.33 3895,4384.33 3895,4265 U?.91@3945,4215
P02.2: U?.92 摄像头.7 | length 1307.2
  Top Layer w10: 摄像头.7 3465,4705 3435,4735 3435,4832.33 3472.67,4870 3815,4870 4000.47,4684.53 4000.47,4296.56 4045,4252.03 U?.92@4045,4215
P02.3: U?.93 摄像头.5 | length 768.4
  Top Layer w10: 摄像头.5 3640.08,4758.5 3849.92,4758.5 3945,4663.43 U?.93@3945,4315
P02.8: U?.98 编码器2.3 | length 5587.2
  Bottom Layer w10: 编码器2.3 2159.5,2853.5 2225.26,2853.5 2270,2898.24 2270,3745 2205,3810 2085,3810 1985,3910 1985,4163.28 2256.5,4434.78 2256.5,4753.5 2403,4900 3855,4900 4170,4585 4170,4140 4095,4065 3895,4065 3845,4115 U?.98@3845,4415
P3: 2.7 RR10.2 U?.40 | length 2739.2
  Top Layer w10: U?.40@2545,2515 2545,2642.03 2614.53,2711.56 2614.53,3009.53 2690,3085 2690,3760 2938.43,4008.43 3128.43,4008.43 3210,4090 v1(3290,4090)
  Bottom Layer w10: v1(3290,4090) 3314,4066 2.7 3314,3791 3335,3770 3502.87,3770 RR10.2
P4: 2.3 RR12.2 U?.41 | length 2053.4
  Top Layer w10: U?.41@2645,2515 2635,2515 2605,2545 2605,2673.74 2634.53,2703.27 2634.53,3001.24 2710,3076.72 2710,3660 2830,3780 3044.85,3780 3145,3880.15 v1(3145,3890)
  Bottom Layer w10: RR12.2 3114,4120 2.3 3114,3921 v1(3145,3890)
P10.1: U?.85 编码器1.4 | length 1210
  Top Layer w10: U?.85@3945,3915 U?.85@3975,3915 ; U?.85 4094.53,3765.47 4094.53,3080.47 编码器1.4
P10.2: U?.86
P10.3: U?.87 编码器1.3 | length 1387
  Top Layer w10: U?.87@3945,4015 U?.87 3989.53,3970.47 4089.53,3970.47 4150,3910 4150,3190.76 4350,2990.76 4350,2925 编码器1.3
P11.2: R47.2 SW1.12 U?.78 | length 496.7
  Bottom Layer w10: U?.78 4096.57,3510 4170,3583.43 4170,3661.14 SW1.12 4305,3796.14 R47.2
P11.3: R48.2 SW1.11 U?.79 | length 665.9
  Bottom Layer w10: U?.79 3998.86,3561.14 4089.81,3561.14 4136.57,3607.91 4136.57,3727.72 SW1.11 4315,3906.14 R48.2
P11.6: R49.2 SW1.10 U?.80 | length 585.5
  Bottom Layer w10: U?.80 4115,3675 4115,3806.14 SW1.10 4303.66,3956.14 R49.2
P11.9: R50.2 SW1.9 U?.81 | length 629.4
  Bottom Layer w10: U?.81 3950,3741.14 SW1.9 4297.6,4056.14 R50.2
P11.10: U?.82
P13.0: R1.2 SW1.16 U?.74 | length 380.7
  Bottom Layer w10: U?.74 4096.14,3356.14 SW1.16 4335,3286.14 R1.2
P13.1: R2.2 SW1.15 U?.75 | length 509.7
  Bottom Layer w10: U?.75 3995,3365 4076.72,3365 4087.86,3376.14 4185,3376.14 SW1.15 4315,3406.14 R2.2
P13.2: R3.2 SW1.14 U?.76 | length 397.3
  Bottom Layer w10: U?.76 4118.86,3410 SW1.14 4275,3546.14 R3.2
P13.3: R4.2 SW1.13 U?.77 | length 566.2
  Bottom Layer w10: U?.77 3994.53,3465.47 4125.47,3465.47 4205,3545 4205,3596.14 SW1.13 4280,3671.14 R4.2
P15.0: TFT.6 U?.58 | length 1856.5
  Top Layer w10: U?.58 4170,2630 4768.28,2630 4810,2671.72 4810,3315 4750,3375 4640,3375 4620,3355 4620,3305 TFT.6
P15.1: TFT.5 U?.59 | length 1314.2
  Top Layer w10: U?.59 3970,2610 4035,2675 4750,2675 4770,2695 4770,3055 TFT.5
P15.2: TFT.7 U?.60 | length 1451.3
  Top Layer w10: U?.60 4090,2650 4760,2650 4790,2680 4790,3235 TFT.7
P15.3: TFT.3 U?.61 | length 1140.2
  Top Layer w10: U?.61 3885,2775 3885,2840 3910,2865 4140,2865 4290,2715 4505,2715 4700,2910 TFT.3
P15.5: TFT.4 U?.63 | length 1132.6
  Top Layer w10: U?.63 3975,2810 4090,2695 4581.86,2695 4660.32,2773.46 4718.46,2773.46 4748.46,2803.46 4748.46,2976.54 TFT.4
P20.0: U?.44 无线模块.1 | length 224.9
  Top Layer w10: U?.44 2750,2750 无线模块.1
P20.3: U?.46 无线模块.3 | length 322
  Top Layer w10: 无线模块.3 2856.5,2863.5 2856.5,2616.5 U?.46
P20.9: U?.52 无线模块.4 | length 1019.9
  Top Layer w10: 无线模块.4 3000,2820 3000,2625 3030,2595 3465,2595 3500,2560 3600,2560 U?.52
P20.10: U?.53
P20.11: U?.54 陀螺仪.3 | length 2471.6
  Top Layer w10: v1(3639,1280) 3650,1269 陀螺仪.3
  Bottom Layer w10: v1(3639,1280) 3716.72,1280 4520,2083.28 4520,2406.72 4510,2416.72 4361.57,2416.72 4312.81,2465.47 3794.53,2465.47 U?.54 U?.54@3745,2515
P20.12: U?.55 陀螺仪.5 | length 2758.5
  Top Layer w10: U?.55 3905.47,2554.53 3905.47,2491.56 3962.03,2435 4460,2435 4510,2485 v1(4540,2485)
  Bottom Layer w10: U?.55@3845,2615 U?.55 ; 陀螺仪.5 3850,1135 3820,1105 3730,1105 3701.54,1133.46 3701.54,1204.82 4570,2073.28 4570,2455 v1(4540,2485)
P20.13: U?.56 陀螺仪.6 | length 2921.1
  Bottom Layer w10: U?.56@3845,2515 U?.56 3895,2555 4290,2555 4376.57,2468.43 4500,2468.43 4550,2418.43 4550,2085 3683.46,1218.46 3629.93,1218.46 3601.54,1190.07 3601.54,1103.46 3630,1075 3855,1075 陀螺仪.6
P20.14: U?.57 陀螺仪.4 | length 2442.9
  Top Layer w10: U?.57 3995,2465 4430,2465 v1(4535,2570)
  Bottom Layer w10: 陀螺仪.4 3750,1210 4590,2050 4590,2515 v1(4535,2570) ; U?.57@3945,2515 U?.57@3970,2515
P22.0: U?.34
P22.1: U?.35
P22.2: U?.36
P22.3: U?.37
P33.4: U?.22
P33.5: U?.23
P33.6: U?.24 灯板.1 | length 834.6
  Top Layer w10: 灯板.1 2121.5,3773.89 2351.11,3773.89 2500.47,3624.53 2500.47,3359.53 U?.24@2545,3315
P33.7: U?.25 灯板.3 | length 864
  Top Layer w10: 灯板.3 2127.4,3575 2195,3575 2320,3700 2335,3700 2380,3655 2380,3280 U?.25@2445,3215
P33.8: U?.26 灯板.5 | length 1346.1
  Top Layer w10: 灯板.5 2038.96,3527.4 2021.36,3545 2021.36,3772.4 2043.96,3795 2380,3795 2595,3580 2595,3265 U?.26@2545,3215
P33.9: U?.27 灯板.7 | length 1733.8
  Top Layer w10: 灯板.7 2001.36,3501.04 2001.36,3803.28 2013.07,3815 2430,3815 2620,3625 2620,3217.03 2562.97,3160 2520,3160 2475,3115 U?.27@2445,3115
P33.10: U?.28 灯板.9 | length 2371
  Top Layer w10: 灯板.9 1961.36,3441.04 1961.36,3819.85 2026.5,3885 2495,3885 2670,3710 2670,3093.28 2594.53,3017.81 2594.53,2979.53 2580,2965 2520,2965 2495,2990 2495,3065 U?.28@2545,3115
P33.11: U?.29 灯板.4 | length 1151.6
  Top Layer w10: 灯板.4 2292.6,3745 2347.43,3745 2480.47,3611.95 2480.47,3342.5 2494.53,3328.44 2494.53,3179.53 2475,3160 2385,3160 2365,3140 2365,3095 U?.29@2445,3015
P33.12: U?.30 灯板.6 | length 2154
  Top Layer w10: 灯板.6 2127.4,3479.8 2127.4,3392.4 2110,3375 2061.5,3375 1981.36,3455.14 1981.36,3811.57 2024.79,3855 2470,3855 2640,3685 2640,3119.95 2560,3039.95 2560,3030 U?.30@2545,3015
P33.13: U?.31 灯板.8 | length 624.2
  Top Layer w10: 灯板.8 2340,3262.4 2340,3020 U?.31@2445,2915
PGND: 3.2 4.1 5.1 6.1 7.1 C7.2 C15.2 C16.2 C17.2 C18.2 C19.2 R25.2 R28.2 R31.2 R32.2 R41.2 R42.2 R45.2 R46.2 电容T.1 | length 6949.1
  Top Layer w80: 电容T.1 1946.89,1972.11 C7.2 2040,2246.11 2040,2420 v1(2105,2485) ; 2070,2335 2830,2335 ; 2830,2050 2830,2335 ; v1(3175,2510) 3100,2510 3070,2480 3070,2335 ; 3542.75,2082.25 3542.75,2327.75 3545,2330 ; 4330,2082.25 4340,2092.25 4340,2335 ; v1(4680,2445) 4680,2340 4675,2335 ; 4955,2082.25 4960,2087.25 4960,2335 ; C17.2 5093.11,2335 4960,2335 ; 2830,2335 3070,2335 ; 3070,2335 3545,2335 3545,2330 ; 3545,2330 3550,2335 v1(3740,2335) 4340,2335 ; 4340,2335 4675,2335 ; 4675,2335 4960,2335
  Bottom Layer w80: v1(2105,2485) 2155,2485 2230,2410 R25.2 R28.2 C15.2 ; R31.2 3172.43,2365 ; v1(3175,2510) 3175,2367.57 3172.43,2365 ; C16.2 R32.2 3172.43,2365 ; v1(3740,2335) 3770,2365 R41.2 C18.2 R42.2 ; v1(4680,2445) R45.2 C19.2 R46.2
pads on no net: H1.3 TPS2.4 U?.32 U?.33 U?.45 U?.47 U?.48 U?.51 U?.64 U?.67 U?.68 U?.69 U?.70 U?.71 U?.72 U?.73 U?.94 U?.96 U?.107 U?.110 U?.111 U?.112 U?.113 U?.114 U?.115 U?.116 U?.117 U?.118 U?.119 摄像头.9 无线模块.2 无线模块.8 编码器1.5 编码器1.6 编码器2.5 编码器2.6 陀螺仪.7 陀螺仪.8

## Polygon pours and split planes (outlines as drawn)
GND on Bottom Layer "Bottom Layer-GND" (solid, shelved, pour order 30): 0,1095 1095,0 1115,20 8295,20 8295,5685 7290,6690 7125,6525 0,6525
no net on Bottom Layer "Bottom Layer-No Net" (solid, shelved, pour order 26): 1575,5255
no net on Bottom Layer "Bottom Layer-No Net 1" (solid, shelved, pour order 24): 1240,5240
5V on Bottom Layer "Bottom Layer-5V 1" (solid, remove dead copper, shelved, pour order 16): 2155,4210 2155,3939 ccw(c2255,3939) 2255,3839 2649,3839 ccw(c2649,3870) 2680,3870 2680,4190 ccw(c2670,4190) 2670,4200 ccw(c2635,4200) 2635,4235 2180,4235 ccw(c2180,4210)
GND on Top Layer "Top Layer-GND" (solid, shelved, pour order 28): 0,4485 105,4380 105,245 8025,245 8205,425 7240,1390 7240,4725 6035,4725 5300,5460 5200,5360 80,5360 80,4155 70,4145

## Keep-outs
Top Layer:
  lines w5: 1330,4955 1330,3735 1795,3735 1820,3710 1820,2675 1795,2650 1330,2650 1330,1025 5230,1025 5230,2645 4880,2645 4850,2675 4850,3700 4880,3730 5215,3730 5215,4955 1330,4955 ; 1330,4955 1330,4955 ; 1330,4955 1330,4955

## Silkscreen, mask and mechanical layers (free items; w line width, h text height)
Top Solder:
  text "青岛理工大学" at 4655,4480 h90
  text "节能三队" at 4745,4365 h90
  text "2022年 第十七届" at 4620,4260 h90
  text "周浩宇" at 4665,4160 h90
  text "孙继一" at 4940,4160 h90
  text "崔展凡" at 4805,4062.39 h90

## Text inside footprints (layer, text, board x,y; h text height)
SW1: Top Overlay "ON" at 4345,3366.14 h60 r90
摄像头: Bottom Overlay "2" at 3886.57,4785 h40; Bottom Overlay "1" at 3876.57,4685 h40; Bottom Overlay "16" at 3006.57,4795 h40; Bottom Overlay "15" at 3006.57,4675 h40
无线模块: Bottom Overlay "7" at 2790,3170 h40 r270; Bottom Overlay "2" at 2890,2710 h40 r270; Bottom Overlay "1" at 2790,2720 h40 r270; Bottom Overlay "8" at 2890,3170 h40 r270
灯板: Top Overlay "2" at 2155,3987.4 h40 r270; Top Overlay "1" at 2055,3977.4 h40 r270; Top Overlay "9" at 2047,3115.4 h40 r270; Top Overlay "10" at 2147,3115.4 h40 r270
陀螺仪: Bottom Overlay "VCC" at 3467.91,1387.13 h45 r90; Bottom Overlay "GND" at 3570.06,1387.13 h45 r90; Bottom Overlay "SPC" at 3672.2,1387.13 h45 r90; Bottom Overlay "SDI" at 3774.34,1357.14 h45 r90; Bottom Overlay "SDO" at 3876.49,1387.13 h45 r90; Bottom Overlay "CS" at 3978.63,1342.14 h45 r90; Bottom Overlay "INT" at 4080.77,1372.13 h45 r90; Bottom Overlay "FSY" at 4182.91,1387.13 h45 r90